# Altium PCB PROC054D_MMWCAS_RF_EVM_ASCII.PcbDoc (part 10 of 13)
Units mil, origin at the board's own origin, x right, y up, seen from the top; angles counter-clockwise.
Board outline 6299.21 x 5370.07 mil, 8 copper layers (L1 TOP, L2 GND, L3 SIGNAL 1, L4 GND, L5 SIGNAL 2, L6 SIGNAL 3, L7 GND, L8 BOTTOM), stack 53.5 mil thick; 775 components, 552 nets, 2648 pads, 7845 vias.
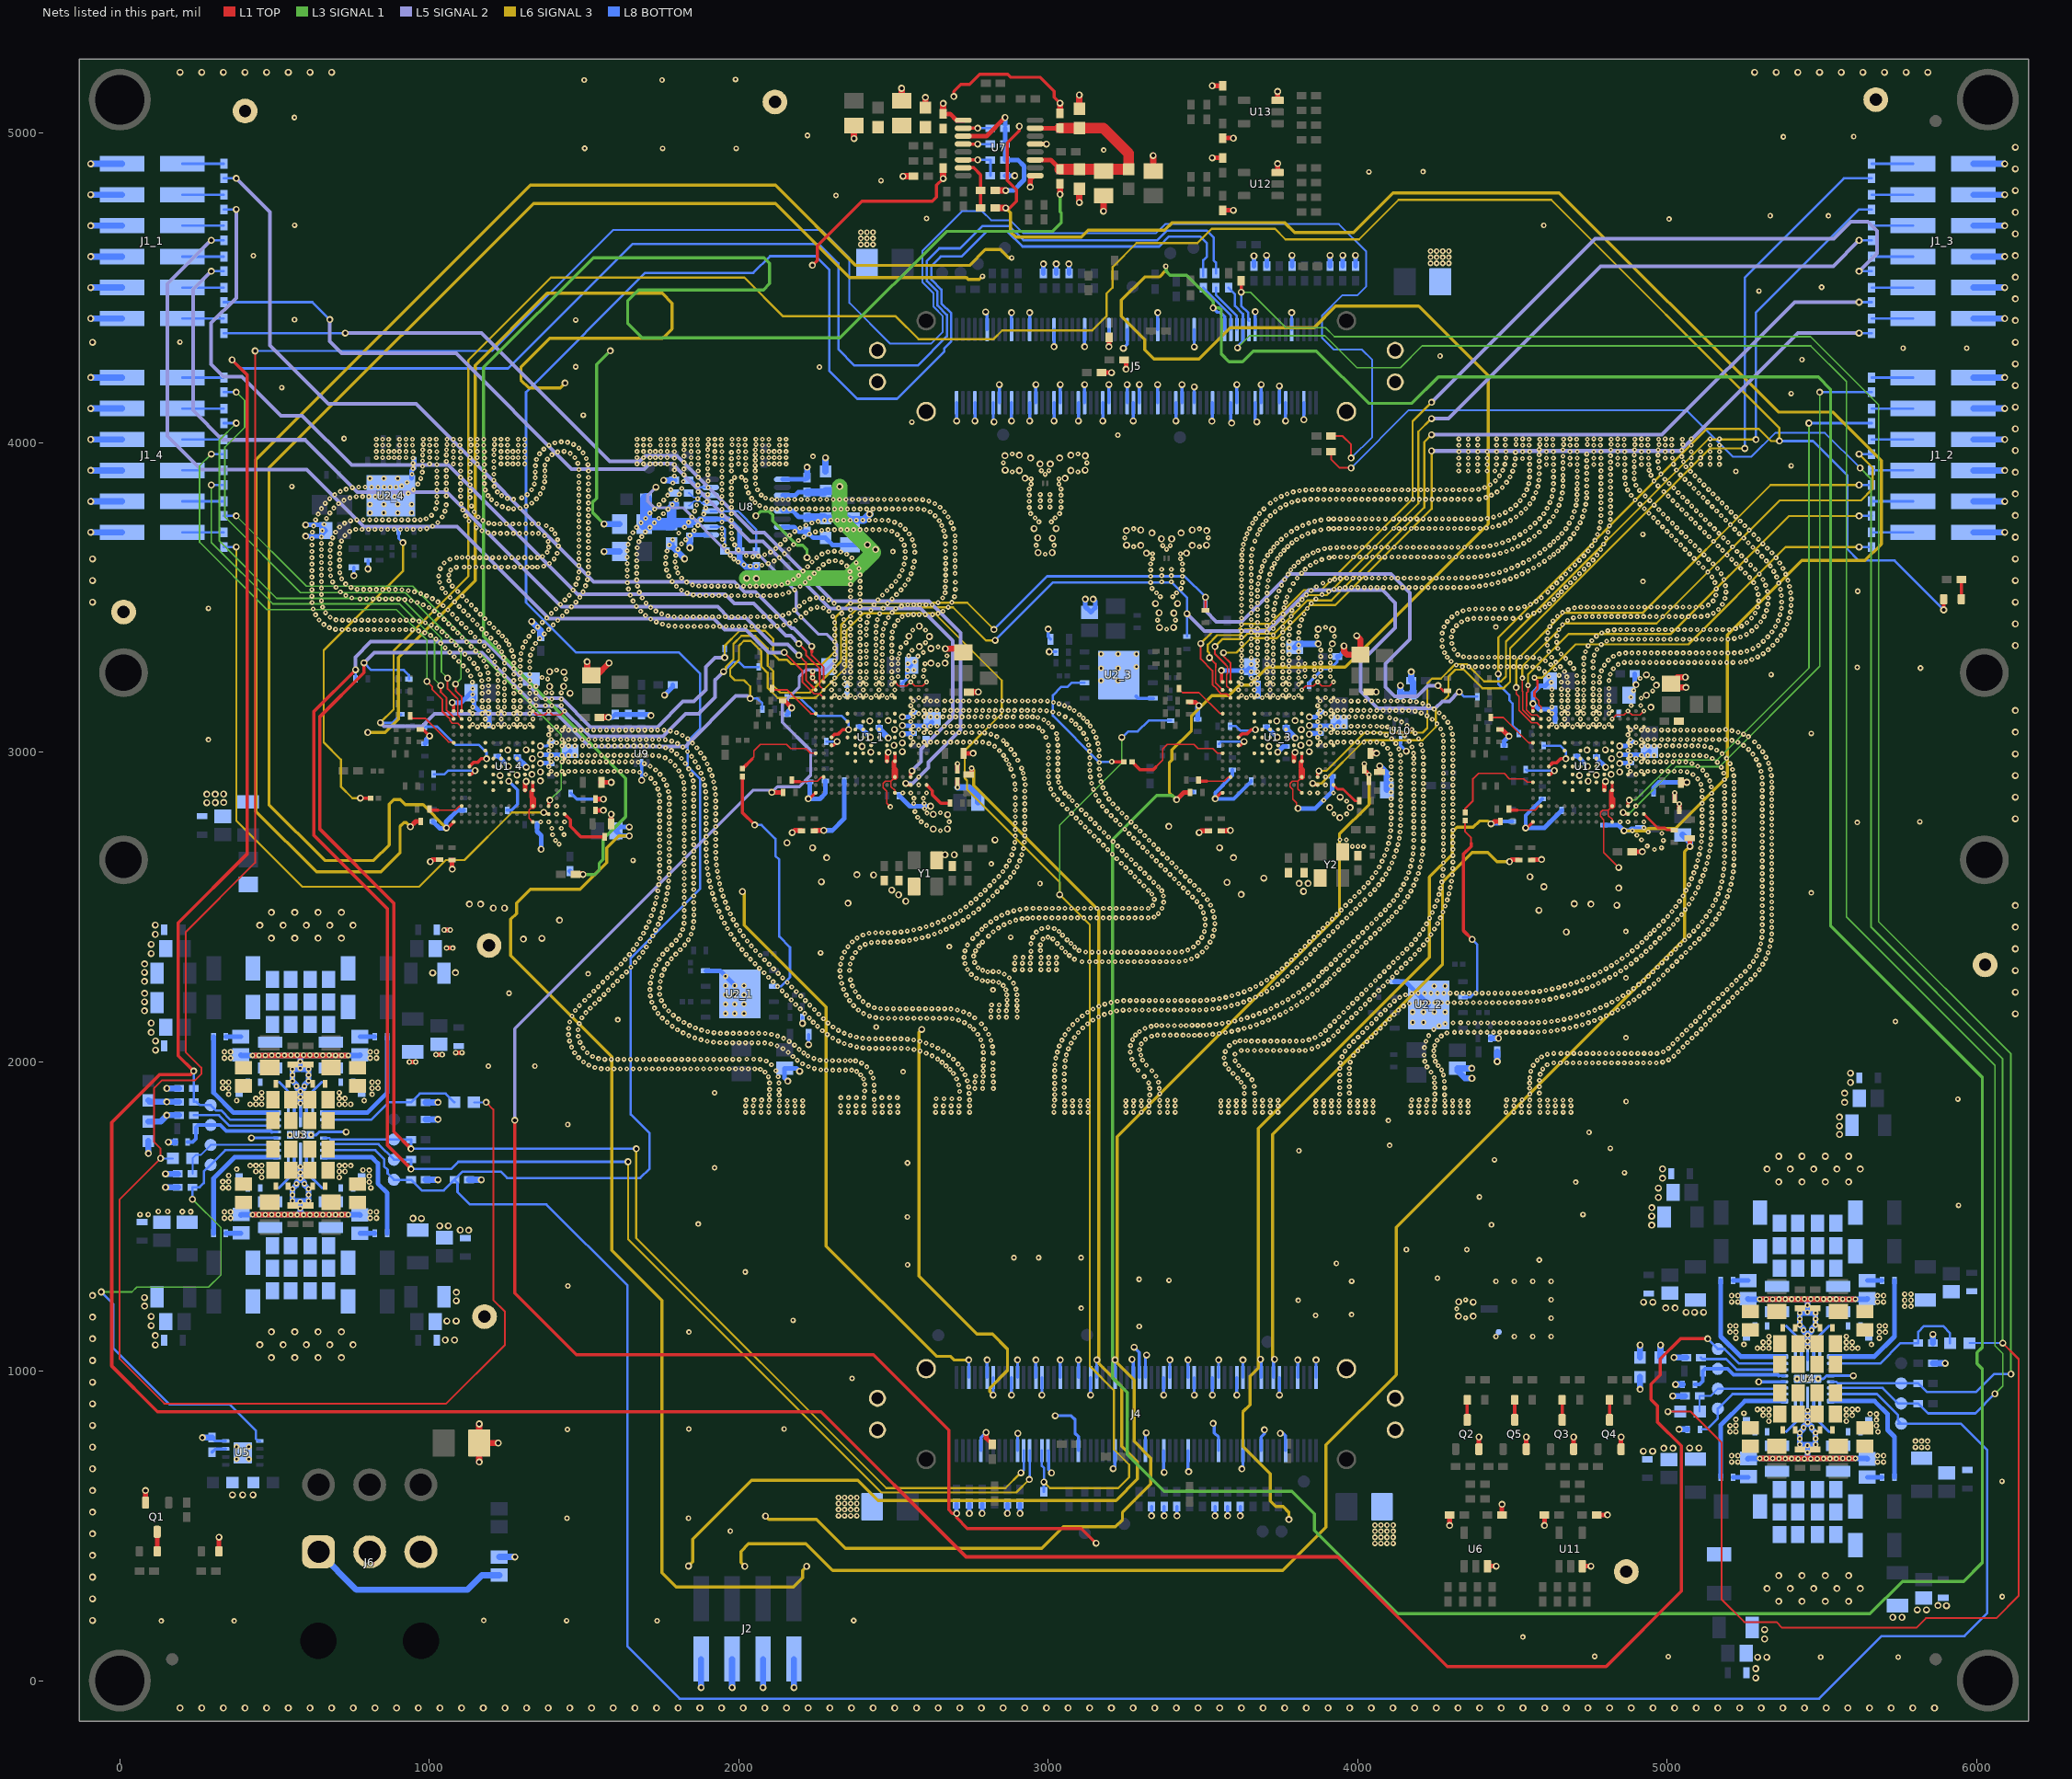
[diagram p16: the nets of this part, all layers, seen from the top]

## Via types
v1: diameter 15.74, hole 5.9, L1 TOP to L2 GND, tented both sides, 5522 vias
v2: diameter 22.4, hole 12.2, L1 TOP to L8 BOTTOM, tented both sides, 1522 vias
v3: diameter 18, hole 8, L1 TOP to L8 BOTTOM, tented both sides, 727 vias
v4: diameter 18, hole 7.87, L1 TOP to L8 BOTTOM, tented top, 50 vias
v5: diameter 24, hole 12, L1 TOP to L8 BOTTOM, tented both sides, 13 vias
v6: diameter 19.68, hole 7.87, L1 TOP to L8 BOTTOM, tented top, 10 vias
v7: diameter 15.74, hole 5.9, L1 TOP to L2 GND, tented top, 1 vias

## Nets (pads, with @x,y where several pads share a name; then routed paths per layer and width w, separated by ;. In a path a pad name is that pad's centre, name@x,y a point inside that pad or via, vN(x,y) a via of type N, cw(c..) or ccw(c..) an arc to the next point about the centre after c; other vN are vias at no path point) (continued)
GND: (continued)
  other v3: 5496.46,76.13 5746.88,75.69 5004.11,77.33 4766.22,78.16 4533.71,140.81 133.61,192.77 369.65,192.66 1735.9,193.46 1176.04,194.2 1443.98,193.71 2371.49,194.12 6083.21,271.3 4055.69,443.27 4075.37,443.27 4095.06,443.27 4114.74,443.27 4055.69,462.95 4075.37,462.95 4095.06,462.95 4114.74,462.95 1972.91,483.05 4055.69,482.64 4075.37,482.64 4095.06,482.64 4114.74,482.64 4055.69,502.32 4075.37,502.32 4095.06,502.32 4114.74,502.32 1444.93,524.87 1837.72,524.87 2322.39,532.65 2342.07,532.65 2361.76,532.65 2381.44,532.65 2322.39,552.33 2342.07,552.33 2361.76,552.33 2381.44,552.33 2322.39,572.02 2342.07,572.02 2361.76,572.02 2381.44,572.02 2322.39,591.7 2342.07,591.7 2361.76,591.7 2381.44,591.7 6082.36,644.09 5208.56,706.48 5228.64,706.48 5679.89,706.48 5699.97,706.48 5361.62,717.42 5382.2,717.42 5402.79,717.42 5423.38,717.03 5464.56,717.03 5485.14,717.03 5505.73,717.42 5526.32,717.42 5546.91,717.42 5208.56,726.56 5228.64,726.56 5679.89,726.56 5699.97,726.56 5453.83,737.78 5802.58,754.01 5822.27,754.01 5841.95,754.01 5480.24,762.36 5802.58,773.7 5822.27,773.7 5841.95,773.7 5480.24,781.54 5480.24,800.72 5203.41,804.46 5222.39,804.46 5681.81,804.28 1446.14,811.62 1838.91,813.25 2146.93,813.25 5467.25,817.49 5676.81,823.3 5203.39,824 5222.41,824.12 5676.81,842.33 5222.43,843.79 5676.81,861.35 5656.4,861.51 5248.32,864.12 2366.02,976.27 5248.32,1086.09 5660.21,1086.09 5222.43,1106.42 5686.1,1106.42 1839.11,1126.23 5203.39,1126.21 5222.41,1126.09 5686.12,1126.09 5705.13,1126.21 5467.25,1132.73 3294.2,1144.09 5203.41,1145.76 5222.39,1145.76 5686.14,1145.76 5705.12,1145.76 5480.24,1149.49 2175.59,1164.19 5480.24,1168.67 3863.89,1180.15 3980.44,1182.69 5480.24,1187.85 3106.88,1203.28 5768.24,1209.3 5787.93,1209.3 5453.83,1212.43 5208.56,1223.65 5228.64,1223.65 5679.89,1223.65 5699.97,1223.65 3808.19,1228.67 5768.24,1228.98 5787.93,1228.98 5361.62,1232.79 5382.2,1232.79 5402.79,1232.79 5423.38,1233.18 5464.56,1233.18 5485.14,1233.18 5505.73,1232.79 5526.32,1232.79 5546.91,1232.79 5208.56,1243.73 5228.64,1243.73 5679.89,1243.73 5699.97,1243.73 5768.24,1248.67 5787.93,1248.67 1447.63,1274.99 3980.74,1290.5 3390.59,1293.49 3294.08,1296.71 4258.14,1300.39 2020.86,1320.43 2545.46,1343.65 3931.42,1348.07 4587.06,1359.02 2889.33,1366.57 2969.15,1366.57 3106.43,1366.57 4353.05,1392.49 4157.58,1392.65 4432.48,1472.84 1869.17,1475.16 337.84,1494.34 357.91,1494.34 809.16,1494.34 829.24,1494.34 2544.96,1497.98 490.89,1505.28 511.48,1505.28 532.07,1505.28 552.66,1504.88 593.83,1504.88 614.42,1504.88 635.01,1505.28 655.6,1505.28 676.18,1505.28 65.22,1505.76 91.7,1505.76 4728.35,1506.03 337.84,1514.42 357.91,1514.42 809.16,1514.42 829.24,1514.42 201.83,1515.15 228.74,1515.15 124.35,1515.58 154.44,1515.58 583.11,1525.63 5942.02,1535.47 609.51,1550.22 4393.83,1562.75 609.51,1569.4 609.51,1588.57 332.68,1592.31 351.66,1592.31 811.08,1592.13 596.53,1605.34 806.08,1611.16 4704.66,1610.58 332.67,1611.86 351.68,1611.98 806.08,1630.18 351.7,1631.65 4862.1,1641.27 785.68,1649.37 806.08,1649.21 377.59,1651.98 1922,1656.9 2545.38,1672.67 4442.29,1682.92 3810.04,1712.1 4816.83,1720.08 4103.53,1729.5 4748.01,1771.34 1447.49,1796.86 4099.3,1809.49 4867.67,1870.96 377.59,1873.94 789.48,1873.94 5939.7,1878.97 351.7,1894.28 815.37,1894.28 1922,1899.1 332.67,1914.07 351.68,1913.94 815.39,1913.94 834.41,1914.07 596.53,1920.58 332.68,1933.61 351.66,1933.61 815.41,1933.61 834.39,1933.61 609.51,1937.35 609.51,1956.53 2531.24,1967.09 609.51,1975.71 1190.66,1985.23 1341.2,1985.23 583.11,2000.29 337.84,2011.51 357.91,2011.51 809.16,2011.51 829.24,2011.51 490.89,2020.65 511.48,2020.65 532.07,2020.65 552.66,2021.04 593.83,2021.04 614.42,2021.04 635.01,2020.65 655.6,2020.65 676.18,2020.65 337.84,2031.58 357.91,2031.58 809.16,2031.58 829.24,2031.58 4867.09,2077.1 2444.27,2111.49 5737.78,2129.64 1609.07,2135.05 1257.6,2220.99 2821.69,2231.51 4866.97,2270.39 1513.34,2283.69 2264.44,2351.62 2680.48,2371.52 2878.65,2401.99 4866.57,2420.19 5466.22,2545.1 2973.41,2575.67 2815.94,2638.69 1658.33,2650.13 5614.76,2772.56 5816.69,2774.88 286.24,3040.08 5466.22,3060.36 5336.44,3250.52 5819.01,3271.58 5614.76,3273.9 4446.74,3404.24 286.24,3464.59 5616.14,3519.73 4922.12,3551.17 2498.15,3647.68 4921.9,3703.62 555.74,3858.48 5222.3,3906.93 5401.14,3925.27 2239.73,3955.33 724.55,4013.2 3225.12,4024.15 2559.67,4066.48 1497.64,4088.75 5401.14,4158.65 523.21,4177.95 2260.51,4244.03 1473.37,4244.89 5435.94,4267.85 4266.52,4279.69 5762.98,4305.17 5968.42,4305.17 194.01,4324.78 1473.37,4396.3 564.38,4397.12 5297.15,4489.7 5499.56,4501.97 4235.61,4579.25 4255.29,4579.25 4274.98,4579.25 4294.66,4579.25 4235.61,4598.94 4255.29,4598.94 4274.98,4598.94 4294.66,4598.94 431.7,4603.8 4235.61,4618.62 4255.29,4618.62 4274.98,4618.62 4294.66,4618.62 2394.49,4640.14 2414.18,4640.14 2433.86,4640.14 2394.49,4659.82 2414.18,4659.82 2433.86,4659.82 2394.49,4679.51 2414.18,4679.51 2433.86,4679.51 564.74,4702.39 4601.73,4701.99 5006.36,4722.28 2607.24,4724.16 5333.41,4733.02 5521.43,4732.67 2314.4,4798.51 2459.82,4846.58 4036.41,4874.63 4211.46,4875.14 3179.55,4945.14 1502.16,4950.81 1753.92,4950.6 1991.93,4950.6 5375.87,4987.98 5603.32,4988.7 2221.82,4992.4 564.12,5050.42 1500.65,5171.71 1752.01,5171.71 1989.61,5173.43
  other v4: 4447.2,1111.73 4506.58,1111.73 4565.95,1111.73 4625.33,1111.73 4625.33,1171.11 4625.33,1230.48 4447.2,1289.85 4506.58,1289.85 4565.95,1289.85 4625.33,1289.85 4177.99,2126.74 4213.08,2126.74 1957.07,2155.57 1987.07,2155.57 2017.07,2155.57 4177.6,2160.03 4212.7,2160.03 4247.79,2160.03 4282.88,2160.03 1957.07,2185.57 1987.07,2185.57 2017.07,2185.57 1957.07,2215.57 1987.07,2215.57 2017.07,2215.57 4247.51,2243.88 4282.61,2243.88 1957.07,2245.57 1987.07,2245.57 2017.07,2245.57 1957.07,2275.57 3170.96,3230.95 3225.96,3230.95 3170.96,3270.95 3225.96,3270.95 3284.96,3275.95 3170.96,3316.95 3225.96,3316.95 3284.96,3316.95 808.11,3773.1 853.11,3773.1 898.11,3773.1 943.11,3773.1 808.11,3800.1 853.11,3800.1 898.11,3800.1 943.11,3800.1 808.11,3884.1 853.11,3884.1 898.11,3884.1
  other v6: 377.44,716.09 416.81,716.09 377.44,755.46 416.81,755.46 5420.01,975.11 549.29,1762.96
  other v7: 1435.24,2733.62
GND_SENSE: J6.1 R20.2 | length 654.6
  L8 BOTTOM w20: J6.1@642.01,416.24 764.9,293.36 1122.57,293.36 1169.82,340.61 R20.2@1226.16,340.61
GPADC1_1: R21_1.1 U1_1.P1 | length 2910.5
  L1 TOP w6: 2235.94,3323.61 2235.94,3313.08 2274.35,3274.67 U1_1.P1@2274.35,3226.63
  L1 TOP w10.5: 2235.94,3323.61 v2(2235.94,3341.84)
  L5 SIGNAL 2 w12: v2(376.34,4853.71) 484.59,4745.46 484.59,4313.48 673.16,4124.91 957.25,4124.91 1531.42,3550.74 1985.84,3550.74 2019.19,3517.39 2054.28,3517.39 2171.25,3400.42 2177.35,3400.42 v2(2235.94,3341.84)
  L8 BOTTOM w7.75: R21_1.1@335.85,4853.71 v2(376.34,4853.71)
GPADC1_2: R21_2.1 U1_2.P1 | length 1388.9
  L1 TOP w4: 4571.43,3180.57 4586.04,3165.96 4586.04,3152.41 4592.35,3146.1 U1_2.P1@4592.35,3132.63
  L1 TOP w8: 4571.43,3180.57 4571.43,3195.32 4580.76,3204.64 4580.76,3231.14 v3(4571.43,3240.47)
  L6 SIGNAL 3 w6.9: v3(4571.43,3240.47) 4596.67,3240.47 4704.44,3348.24 5069.13,3348.24 5383.78,3662.89 v2(5620.66,3662.89)
  L8 BOTTOM w7.75: v2(5620.66,3662.89) R21_2.1@5661.15,3662.89
GPADC1_3: R21_3.1 U1_3.P1 | length 2735.9
  L1 TOP w6: v2(3566.57,3321.12) 3566.57,3310 3589.35,3287.22 U1_3.P1@3589.35,3226.63
  L5 SIGNAL 2 w12: v2(4239,3973) 5042.9,3973 5423.61,4353.71 v2(5620.66,4353.71)
  L6 SIGNAL 3 w6.9: v2(3566.57,3321.12) 3608.23,3321.12 3655.5,3368.4 3739.36,3368.4 3845.99,3475.03 3928.21,3475.03 4239,3785.82 v2(4239,3973)
  L8 BOTTOM w7.75: v2(5620.66,4353.71) R21_3.1@5661.15,4353.71
GPADC1_4: R21_4.1 U1_4.P1 | length 1637.4
  L1 TOP w6: v2(1085,3220) 1085,3199.39 1104.35,3180.04 U1_4.P1@1104.35,3132.63
  L3 SIGNAL 1 w5.1: v2(376.34,4162.89) 403.51,4135.72 403.51,4049.61 339.61,3985.71 339.61,3759.61 584.15,3515.07 922.18,3515.07 1102.11,3335.14 1102.11,3237.11 v2(1085,3220)
  L8 BOTTOM w7.75: R21_4.1@335.85,4162.89 v2(376.34,4162.89)
GPADC1_CONN_1: J1_1.1 R21_1.2 | length 133.6
  L8 BOTTOM w7.75: J1_1.1@202.2,4900.95 R21_1.2@335.85,4900.95
GPADC1_CONN_2: J1_2.1 R21_2.2 | length 133.6
  L8 BOTTOM w7.75: R21_2.2@5661.15,3710.13 J1_2.1@5794.8,3710.13
GPADC1_CONN_3: J1_3.1 R21_3.2 | length 133.6
  L8 BOTTOM w7.75: R21_3.2@5661.15,4400.95 J1_3.1@5794.8,4400.95
GPADC1_CONN_4: J1_4.1 R21_4.2 | length 133.6
  L8 BOTTOM w7.75: J1_4.1@202.2,4210.13 R21_4.2@335.85,4210.13
GPADC2_1: R22_1.1 U1_1.P2 | length 3029.7
  L1 TOP w4: 2261.49,3235.84 2261.49,3213.9 U1_1.P2@2274.35,3201.04
  L1 TOP w6: v2(2194.09,3349.92) 2217.73,3326.28 2217.73,3313.24 2261.49,3269.48 2261.49,3235.84
  L5 SIGNAL 2 w12: v2(376.34,4753.71) 376.34,4467.74 295.19,4386.59 295.19,4253.33 335.16,4213.35 394.52,4213.35 520.64,4087.23 588.93,4087.23 748.84,3927.31 1061.01,3927.31 1478.43,3509.89 1955.91,3509.89 1985.77,3480.03 2048.08,3480.03 2152.21,3375.91 2168.1,3375.91 v2(2194.09,3349.92)
  L8 BOTTOM w7.75: R22_1.1@335.85,4753.71 v2(376.34,4753.71)
GPADC2_2: R22_2.1 U1_2.P2 | length 1497.9
  L1 TOP w4: 4545.62,3148.38 4545.62,3136.09 4561.81,3119.9 4579.49,3119.9 U1_2.P2@4592.35,3107.04
  L1 TOP w6: 4545.62,3148.38 4545.62,3191.12 4550.87,3196.38 v3(4550.87,3216.09)
  L6 SIGNAL 3 w6.9: v3(4550.87,3216.09) 4550.87,3250.62 4682.25,3381.99 5012.95,3381.99 5393.85,3762.89 v2(5620.66,3762.89)
  L8 BOTTOM w7.75: v2(5620.66,3762.89) R22_2.1@5661.15,3762.89
GPADC2_3: R22_3.1 U1_3.P2 | length 2870
  L1 TOP w4: 3573.3,3282.68 3579.29,3276.69 3579.29,3253.3 3576.39,3250.39 3576.39,3214 U1_3.P2@3589.35,3201.04
  L1 TOP w6: v2(3539,3341) 3539,3316.99 3573.3,3282.68
  L5 SIGNAL 2 w12: v2(4239,4025.33) 4983.76,4025.33 5412.13,4453.71 v2(5620.66,4453.71)
  L6 SIGNAL 3 w6.9: v2(3539,3341) 3562.87,3364.87 3625.69,3364.87 3643.85,3383.03 3730.83,3383.03 3838.22,3490.42 3915.31,3490.42 4215.47,3790.59 4215.47,4001.81 v2(4239,4025.33)
  L8 BOTTOM w7.75: v2(5620.66,4453.71) R22_3.1@5661.15,4453.71
GPADC2_4: R22_4.1 U1_4.P2 | length 1579.6
  L1 TOP w4: 1086.33,3177.31 1091.49,3172.15 1091.49,3119.9 U1_4.P2@1104.35,3107.04
  L1 TOP w6: v2(1059,3239) 1059,3204.64 1086.33,3177.31
  L3 SIGNAL 1 w5.1: v2(376.34,4062.89) 321.76,4008.31 321.76,3681.81 507.14,3496.43 910.93,3496.43 1039.1,3368.26 1039.1,3258.9 v2(1059,3239)
  L8 BOTTOM w7.75: R22_4.1@335.85,4062.89 v2(376.34,4062.89)
GPADC2_CONN_1: J1_1.3 R22_1.2 | length 133.6
  L8 BOTTOM w7.75: J1_1.3@202.2,4800.95 R22_1.2@335.85,4800.95
GPADC2_CONN_2: J1_2.3 R22_2.2 | length 133.6
  L8 BOTTOM w7.75: R22_2.2@5661.15,3810.13 J1_2.3@5794.8,3810.13
GPADC2_CONN_3: J1_3.3 R22_3.2 | length 133.6
  L8 BOTTOM w7.75: R22_3.2@5661.15,4500.95 J1_3.3@5794.8,4500.95
GPADC2_CONN_4: J1_4.3 R22_4.2 | length 133.6
  L8 BOTTOM w7.75: J1_4.3@202.2,4110.13 R22_4.2@335.85,4110.13
GPADC3_1: R23_1.1 U1_1.P3 | length 3224.7
  L1 TOP w4: 2232,3200 2244,3188 2261.8,3188 U1_1.P3@2274.35,3175.45
  L1 TOP w6: v2(2147,3322) 2205.54,3263.46 2205.54,3226.46 2232,3200
  L5 SIGNAL 2 w12: v2(295.35,4653.71) 294.32,4653.71 154.03,4513.42 154.03,4020.74 262.2,3912.57 604.09,3912.57 787.75,3728.91 1089.55,3728.91 1387.22,3431.24 1919.62,3431.24 1954.92,3395.94 2022.73,3395.94 2096.68,3322 v2(2147,3322)
  L8 BOTTOM w7.75: v2(295.35,4653.71) R23_1.1@335.85,4653.71
GPADC3_2: R23_2.1 U1_2.P3 | length 1641.4
  L1 TOP w4: v2(4512.4,3208.76) 4512.4,3187.71 4521,3179.11 4521,3135.12 4561.72,3094.4 4579.4,3094.4 U1_2.P3@4592.35,3081.45
  L6 SIGNAL 3 w6.9: v2(4512.4,3208.76) 4512.4,3295.65 4666.98,3450.24 4922.03,3450.24 5334.68,3862.89 v2(5620.66,3862.89)
  L8 BOTTOM w7.75: v2(5620.66,3862.89) R23_2.1@5661.15,3862.89
GPADC3_3: R23_3.1 U1_3.P3 | length 3330.3
  L1 TOP w4: 3545.01,3204.7 3549.01,3200.7 3549.01,3198.11 3559.12,3188 3576.8,3188 U1_3.P3@3589.35,3175.45
  L1 TOP w6: v2(3493,3351) 3493,3300.94 3531,3262.94 3531,3218.71 3545.01,3204.7
  L5 SIGNAL 2 w12: v2(4239,4130) 4768.28,4659.28 5538.33,4659.28 5593.44,4714.39 5648.8,4714.39 5678.49,4684.7 5678.49,4611.54 v2(5620.66,4553.71)
  L6 SIGNAL 3 w6.9: v2(3493,3351) 3532.52,3390.52 3609.42,3390.52 3632.96,3414.05 3716.75,3414.05 3826.38,3523.68 3882.78,3523.68 4177.51,3818.41 4177.51,4068.51 v2(4239,4130)
  L8 BOTTOM w7.75: v2(5620.66,4553.71) R23_3.1@5661.15,4553.71
GPADC3_4: R23_4.1 U1_4.P3 | length 1543.5
  L1 TOP w4: 1060.89,3113.01 1066,3107.91 1066,3102.12 1074.12,3094 1091.8,3094 U1_4.P3@1104.35,3081.45
  L1 TOP w6: v2(992.5,3228.5) 1009.75,3211.25 1009.75,3202.06 1042.64,3169.17 1042.64,3131.27 1060.89,3113.01
  L3 SIGNAL 1 w5.1: v2(295.35,3962.89) 257.78,3925.32 257.78,3678.26 475.52,3460.52 893.72,3460.52 992.5,3361.74 v2(992.5,3228.5)
  L8 BOTTOM w7.75: v2(295.35,3962.89) R23_4.1@335.85,3962.89
GPADC3_CONN_1: J1_1.5 R23_1.2 | length 133.6
  L8 BOTTOM w7.75: J1_1.5@202.2,4700.95 R23_1.2@335.85,4700.95
GPADC3_CONN_2: J1_2.5 R23_2.2 | length 133.6
  L8 BOTTOM w7.75: R23_2.2@5661.15,3910.13 J1_2.5@5794.8,3910.13
GPADC3_CONN_3: J1_3.5 R23_3.2 | length 133.6
  L8 BOTTOM w7.75: R23_3.2@5661.15,4600.95 J1_3.5@5794.8,4600.95
GPADC3_CONN_4: J1_4.5 R23_4.2 | length 133.6
  L8 BOTTOM w7.75: J1_4.5@202.2,4010.13 R23_4.2@335.85,4010.13
GPADC4_1: R24_1.1 U1_1.R2 | length 2934.6
  L1 TOP w6: v2(2194,3313) 2217.36,3289.64 2217.36,3232.44 U1_1.R2@2248.76,3201.04
  L5 SIGNAL 2 w12: v2(295.35,4553.71) 236.32,4494.67 236.32,4103.95 331.66,4008.61 599.55,4008.61 767.72,3840.44 1057,3840.44 1427.48,3469.96 1931.72,3469.96 1968.47,3433.21 2025.07,3433.21 2109.53,3348.75 2158.25,3348.75 v2(2194,3313)
  L8 BOTTOM w7.75: v2(295.35,4553.71) R24_1.1@335.85,4553.71
GPADC4_2: R24_2.1 U1_2.R2 | length 1726.8
  L1 TOP w4: v3(4532.25,3239.26) 4532.25,3197.82 4534,3196.07 4534,3136.39 4563.35,3107.04 U1_2.R2@4566.76,3107.04
  L6 SIGNAL 3 w6.9: v3(4532.25,3239.26) 4532.25,3277.3 4670.69,3415.74 4966.32,3415.74 5364,3813.42 5627.23,3813.42 5664.09,3850.28 5664.09,3919.46 v2(5620.66,3962.89)
  L8 BOTTOM w7.75: v2(5620.66,3962.89) R24_2.1@5661.15,3962.89
GPADC4_3: R24_3.1 U1_3.R2 | length 2987.8
  L1 TOP w4: 3541,3274.11 3541,3223.8 U1_3.R2@3563.76,3201.04
  L1 TOP w6: v2(3521,3305) 3541,3285 3541,3274.11
  L5 SIGNAL 2 w12: v2(4239,4077.67) 4293.28,4077.67 4785.87,4570.26 5537.22,4570.26 v2(5620.66,4653.71)
  L6 SIGNAL 3 w6.9: v2(3521,3305) 3521,3320.12 3516.15,3324.97 3516.15,3347.27 3546.53,3377.64 3617.31,3377.64 3636.67,3397 3722.08,3397 3832.27,3507.19 3900.24,3507.19 4196.51,3803.45 4196.51,4035.18 v2(4239,4077.67)
  L8 BOTTOM w7.75: v2(5620.66,4653.71) R24_3.1@5661.15,4653.71
GPADC4_4: R24_4.1 U1_4.R2 | length 1360.4
  L1 TOP w4: 1065.38,3126.62 1078.76,3113.24 U1_4.R2@1078.76,3107.04
  L1 TOP w6: v2(1037,3215) 1037,3194.33 1055.19,3176.15 1055.19,3136.81 1065.38,3126.62
  L3 SIGNAL 1 w5.1: v2(295.35,3862.89) 295.35,3677.72 493.91,3479.17 902.79,3479.17 1017.02,3364.94 1017.02,3234.98 v2(1037,3215)
  L8 BOTTOM w7.75: v2(295.35,3862.89) R24_4.1@335.85,3862.89
GPADC4_CONN_1: J1_1.7 R24_1.2 | length 133.6
  L8 BOTTOM w7.75: J1_1.7@202.2,4600.95 R24_1.2@335.85,4600.95
GPADC4_CONN_2: J1_2.7 R24_2.2 | length 133.6
  L8 BOTTOM w7.75: R24_2.2@5661.15,4010.13 J1_2.7@5794.8,4010.13
GPADC4_CONN_3: J1_3.7 R24_3.2 | length 133.6
  L8 BOTTOM w7.75: R24_3.2@5661.15,4700.95 J1_3.7@5794.8,4700.95
GPADC4_CONN_4: J1_4.7 R24_4.2 | length 133.6
  L8 BOTTOM w7.75: J1_4.7@202.2,3910.13 R24_4.2@335.85,3910.13
GPADC5_1: R25_1.1 U1_1.C13 | length 3361.4
  L1 TOP w10.5: U1_1.C13@2555.84,2919.55 2555.84,2935.15 v2(2559.59,2938.9)
  L5 SIGNAL 2 w12: v2(678.21,4397.34) 678.21,4326.9 716.82,4288.29 1086.57,4288.29 1460.09,3914.77 1694.43,3914.77 1711.84,3932.18 1785.55,3932.18 2036.9,3680.83 2078.26,3680.83 2294.99,3464.11 2587.27,3464.11 2692.07,3359.31 2692.07,3111.65 2589.83,3009.4 2589.83,2969.14 v2(2559.59,2938.9)
  L8 BOTTOM w7.75: R25_1.1@335.85,4453.71 621.84,4453.71 v2(678.21,4397.34)
GPADC5_2: R25_2.1 U1_2.C13 | length 1772.4
  L1 TOP w10.5: U1_2.C13@4873.84,2825.55 4873.84,2840.9 4877.84,2844.9 v2(4878,2844.9)
  L3 SIGNAL 1 w5.1: v2(4878,2844.9) 4898.17,2844.9 5027.55,2974.28 5161.26,2974.28 5458.45,3271.47 v2(5458.45,4062.89)
  L8 BOTTOM w7.75: v2(5458.45,4062.89) R25_2.1@5661.15,4062.89
GPADC5_3: R25_3.1 U1_3.C13 | length 2996.4
  L1 TOP w10.5: U1_3.C13@3870.84,2919.55 3870.84,2935.15 v2(3875.07,2939.38)
  L6 SIGNAL 3 w6.9: v2(3875.07,2939.38) 3899.08,2939.38 4022.53,3062.83 4210.63,3062.83 4225.16,3077.37 4225.16,3221.8 4240.48,3237.11 4269.21,3237.11 4316.25,3284.15 4353.32,3284.15 4409.02,3228.45 4463.36,3228.45 4479.21,3244.3 4479.21,3356.97 5132.2,4009.96 v2(5287.35,4009.96)
  L8 BOTTOM w7.75: v2(5287.35,4009.96) 5287.35,4420.4 5620.66,4753.71 R25_3.1@5661.15,4753.71
GPADC5_4: R25_4.1 U1_4.C13 | length 1630.3
  L1 TOP w10.5: U1_4.C13@1385.84,2825.55 1385.84,2841.15 v2(1389.59,2844.9)
  L3 SIGNAL 1 w5.1: v2(376.34,3762.89) 603.44,3535.79 946.79,3535.79 1425.94,3056.63 1425.94,2881.25 v2(1389.59,2844.9)
  L8 BOTTOM w7.75: R25_4.1@335.85,3762.89 v2(376.34,3762.89)
GPADC5_CONN_1: J1_1.9 R25_1.2 | length 133.6
  L8 BOTTOM w7.75: J1_1.9@202.2,4500.95 R25_1.2@335.85,4500.95
GPADC5_CONN_2: J1_2.9 R25_2.2 | length 133.6
  L8 BOTTOM w7.75: R25_2.2@5661.15,4110.13 J1_2.9@5794.8,4110.13
GPADC5_CONN_3: J1_3.9 R25_3.2 | length 133.6
  L8 BOTTOM w7.75: R25_3.2@5661.15,4800.95 J1_3.9@5794.8,4800.95
GPADC5_CONN_4: J1_4.9 R25_4.2 | length 133.6
  L8 BOTTOM w7.75: J1_4.9@202.2,3810.13 R25_4.2@335.85,3810.13
GPADC6_1: R26_1.1 U1_1.C14 | length 3387.5
  L1 TOP w10.5: v2(2540,2899) 2545.04,2893.96 U1_1.C14@2555.85,2893.95
  L5 SIGNAL 2 w12: v2(728.54,4353.71) 1168.43,4353.71 1583.26,3938.87 1680.07,3938.87 1698.74,3957.54 1799.67,3957.54 2048.49,3708.72 2083.01,3708.72 2304.42,3487.3 2614.38,3487.3 2716.85,3384.84 2716.85,3071.47 2612.98,2967.61 2612.98,2950.24 2561.74,2899 v2(2540,2899)
  L8 BOTTOM w7.75: R26_1.1@335.85,4353.71 v2(728.54,4353.71)
GPADC6_2: R26_2.1 U1_2.C14 | length 1902.4
  L1 TOP w10.5: v2(4858,2805) 4863.04,2799.96 U1_2.C14@4873.85,2799.95
  L3 SIGNAL 1 w5.1: v2(4858,2805) 4881.3,2805 5029.27,2952.97 5169.09,2952.97 5493.28,3277.16 v2(5493.28,4162.89)
  L8 BOTTOM w7.75: v2(5493.28,4162.89) R26_2.1@5661.15,4162.89
GPADC6_3: R26_3.1 U1_3.C14 | length 3142.1
  L1 TOP w10.5: v2(3855,2899) 3860.04,2893.96 U1_3.C14@3870.85,2893.95
  L6 SIGNAL 3 w6.9: v2(3855,2899) 3883.22,2899 4022.41,3038.18 4209.96,3038.18 4252.96,3081.18 4252.96,3141.71 4293.66,3182.41 4293.66,3244.39 4315.65,3266.37 4343.21,3266.37 4402.97,3206.6 4472.25,3206.6 4492.94,3227.29 4492.94,3335.73 5138.35,3981.15 v2(5251.44,3981.15)
  L8 BOTTOM w7.75: v2(5251.44,3981.15) 5251.44,4533.41 5571.73,4853.71 R26_3.1@5661.15,4853.71
GPADC6_4: R26_4.1 U1_4.C14 | length 2124.3
  L1 TOP w10.5: v2(1370,2805) 1377.56,2805 1382.6,2799.96 U1_4.C14@1385.85,2799.95
  L6 SIGNAL 3 w6.9: v2(376.34,3662.89) 376.34,2778.36 589.61,2565.09 967.45,2565.09 1053.48,2651.12 1113.4,2651.12 1267.28,2805 v2(1370,2805)
  L8 BOTTOM w7.75: R26_4.1@335.85,3662.89 v2(376.34,3662.89)
GPADC6_CONN_1: J1_1.11 R26_1.2 | length 133.6
  L8 BOTTOM w7.75: J1_1.11@202.2,4400.95 R26_1.2@335.85,4400.95
GPADC6_CONN_2: J1_2.11 R26_2.2 | length 133.6
  L8 BOTTOM w7.75: R26_2.2@5661.15,4210.13 J1_2.11@5794.8,4210.13
GPADC6_CONN_3: J1_3.11 R26_3.2 | length 133.6
  L8 BOTTOM w7.75: R26_3.2@5661.15,4900.95 J1_3.11@5794.8,4900.95
GPADC6_CONN_4: J1_4.11 R26_4.2 | length 133.6
  L8 BOTTOM w7.75: J1_4.11@202.2,3710.13 R26_4.2@335.85,3710.13
LMK1_1V8: C176.1 C177.1 C178.2 C179.1 C180.2 L34.2 U7.11 U7.15 | length 706.4
  L1 TOP w15: U7.11@2957.85,4913.54 3007.99,4913.54 C177.1@3038.3,4883.23 ; U7.15@2957.85,5015.9 C179.1@3038.3,5015.9
  L1 TOP w35: C177.1@3038.3,4883.23 C180.2@3100.57,4883.23 3173.37,4883.23 C176.1@3178.88,4877.72 3184.4,4883.23 L34.2@3260.01,4883.23 3260.01,4934.5 3178.6,5015.9 C178.2@3100.57,5015.9 C179.1@3038.3,5015.9
LMK1_3V3: C170.1 C171.2 C172.1 L33.2 R105.2 R118.2 R119.2 R120.2 U7.3 | length 508.9
  L1 TOP w15: U7.3@2725.57,4990.31 2800.52,4990.31 v2(2860.62,5050.41)
  L1 TOP w20: R118.2@2829.26,4814.5 v2(2862.9,4814.5)
  L8 BOTTOM w15: R120.2@2860.62,5015.9 R119.2@2860.62,4964.72 R105.2@2860.62,4913.54 2901.99,4913.54 2922.25,4893.28 2922.25,4849.05 2887.69,4814.5 v2(2862.9,4814.5) ; R120.2@2860.62,5025.41 v2(2860.62,5050.41)